# Altium PCB PCB.PcbDoc (part 7 of 11)
Units mm, origin at the board's own origin, x right, y up, seen from the top; angles counter-clockwise.
Board outline 134.62 x 134.62 mm, 2 copper layers (Top Layer, Bottom Layer); 223 components, 326 nets, 5222 pads, 379 vias.
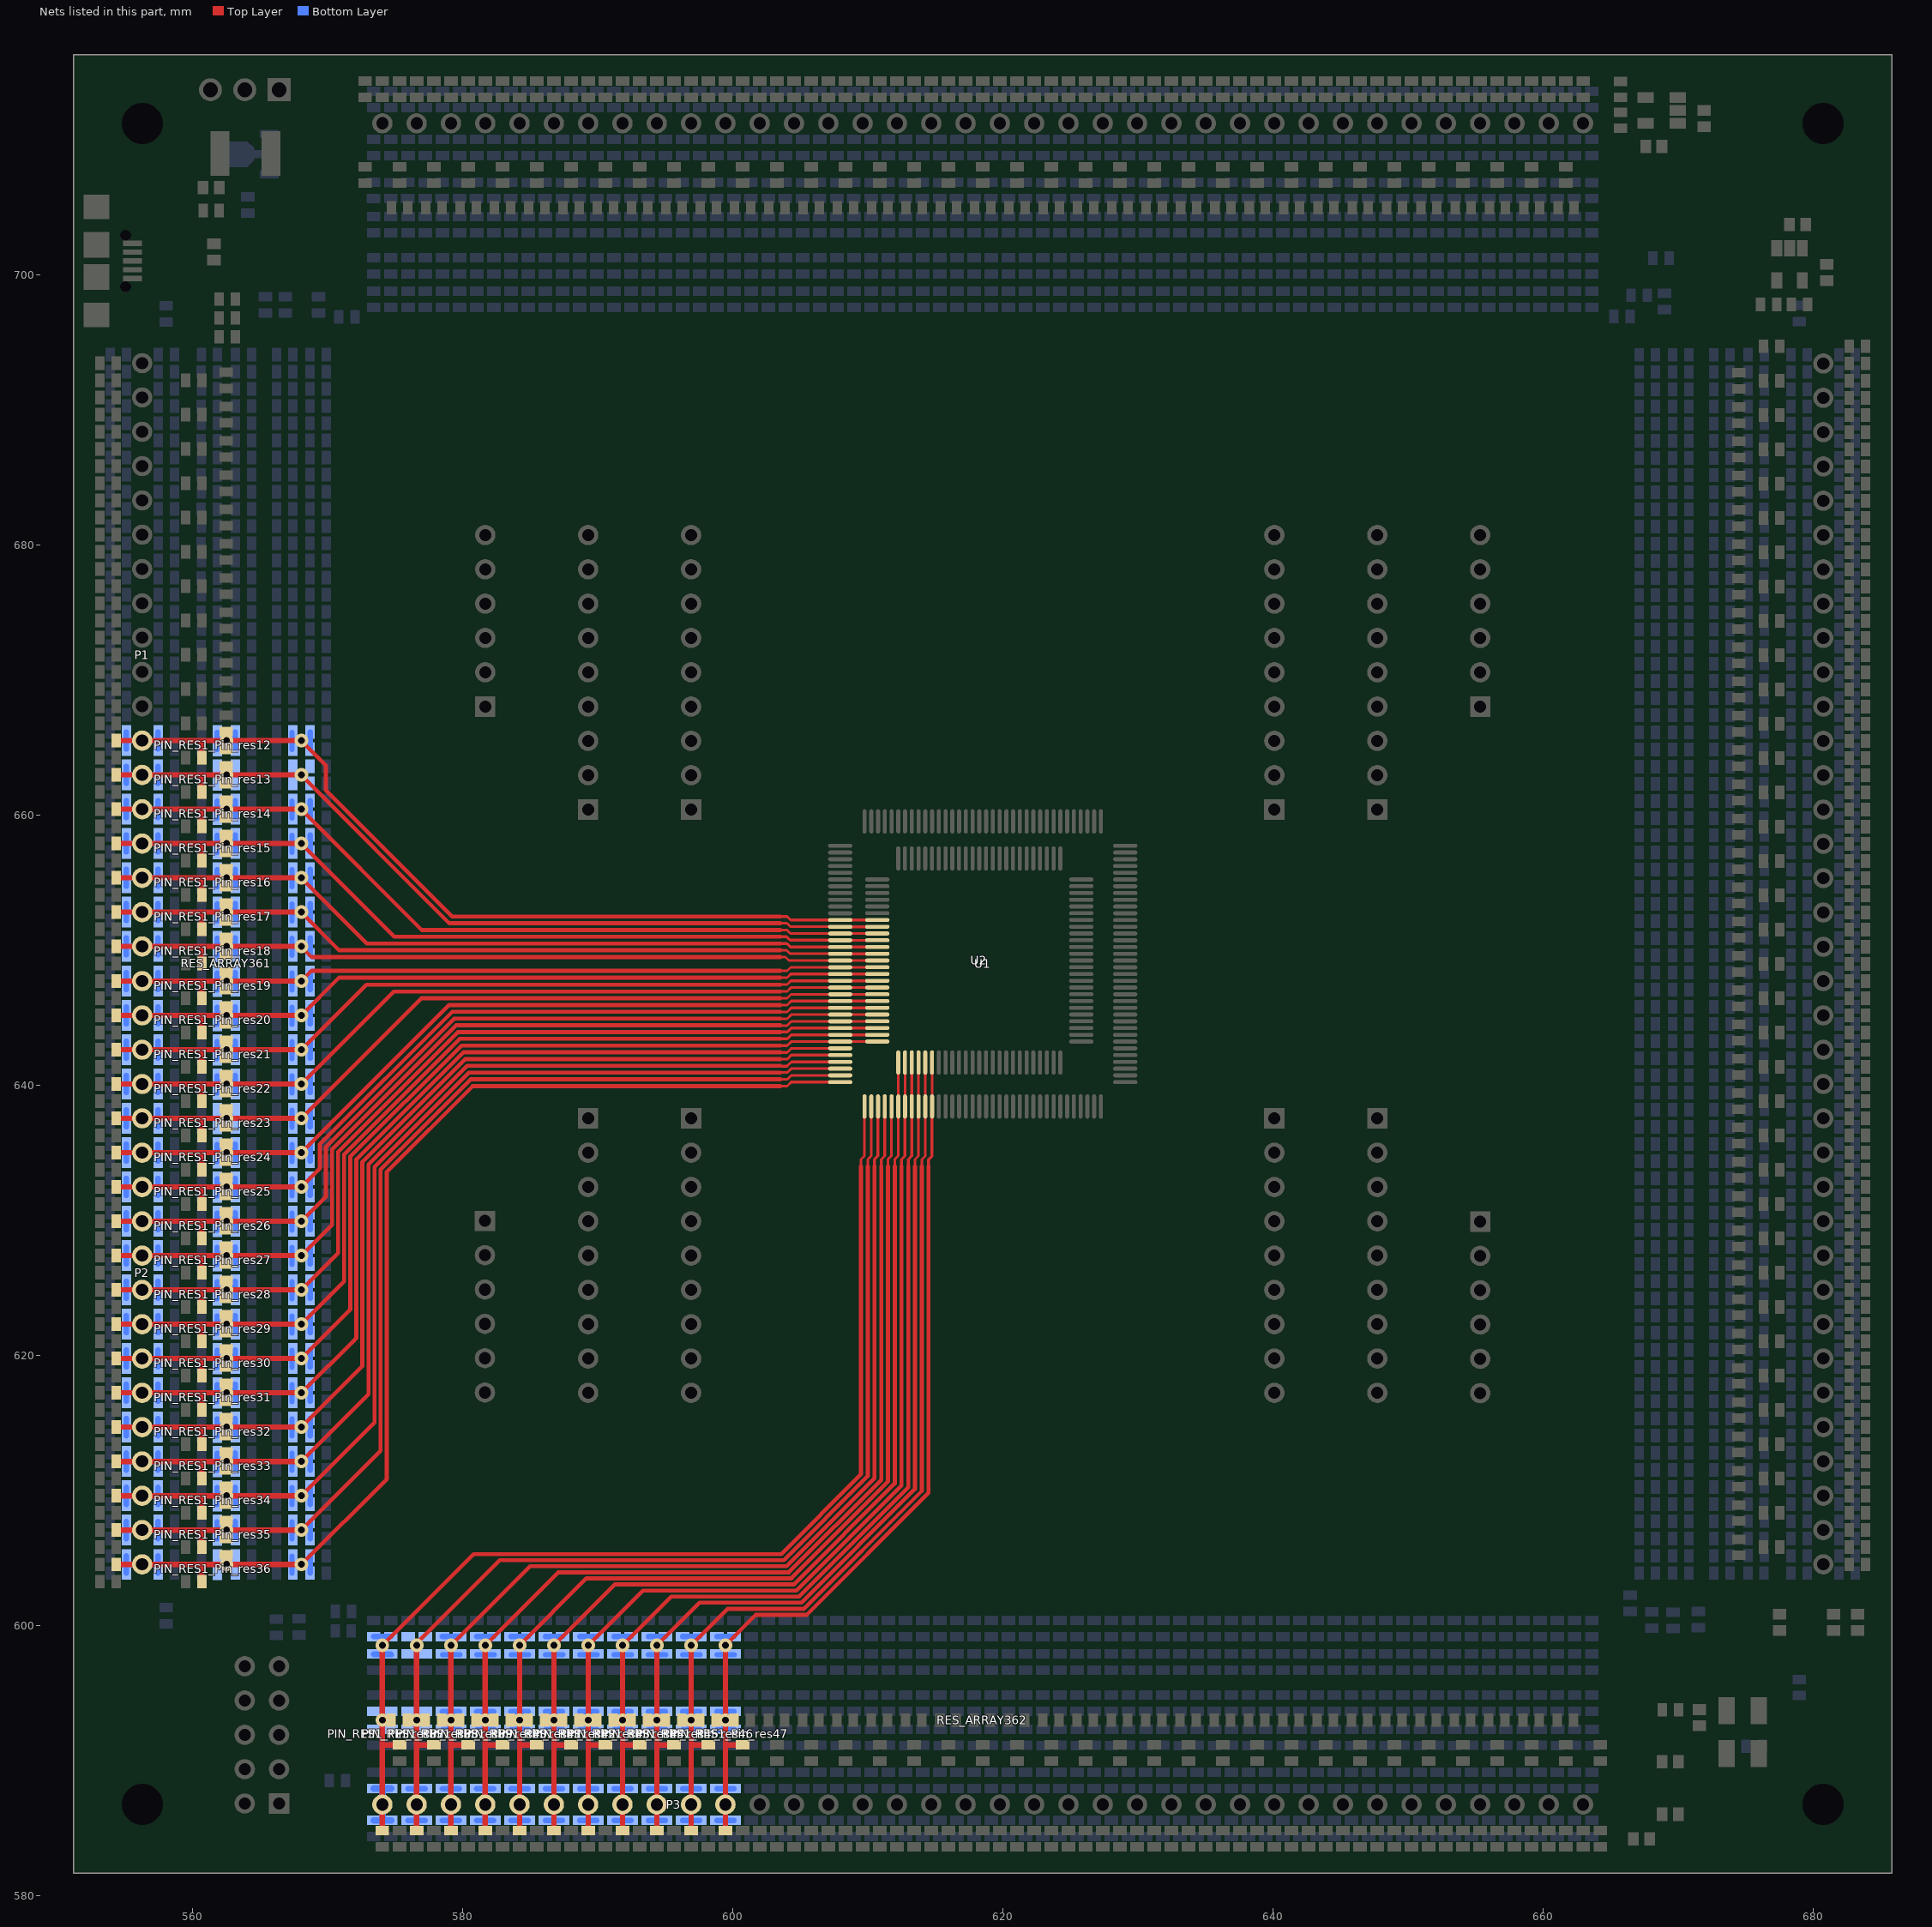
[diagram p7: the nets of this part, all layers, seen from the top]

## Via types
v1: diameter 1, hole 0.5, Top Layer to Bottom Layer, 322 vias
v2: diameter 1, hole 0.5, Top Layer to Bottom Layer, tented both sides, 57 vias

## Nets (pads, with @x,y where several pads share a name; then routed paths per layer and width w, separated by ;. In a path a pad name is that pad's centre, name@x,y a point inside that pad or via, vN(x,y) a via of type N, cw(c..) or ccw(c..) an arc to the next point about the centre after c; other vN are vias at no path point) (continued)
P12: P1.12 PIN_RES1_Pin_res12.14 RES_ARRAY361.12 U1.12 U2.7 | length 76.9
  Top Layer w0.2: 603.504,652.478 604.012,652.478 604.27,652.22 U1.12@607.94,652.22 610.682,652.22 U2.7@610.686,652.224
  Top Layer w0.3: v1@568.046,665.48 569.852,663.674 569.852,661.829 579.203,652.478 603.504,652.478
  Top Layer w0.4: PIN_RES1_Pin_res12.14@554.32,665.505 P1.12@556.26,665.505 560.705,665.505 ; PIN_RES1_Pin_res12.14@560.67,664.235 560.67,665.47 560.705,665.505 ; v1(568.046,665.505) v1(562.508,665.505) 562.483,665.505 560.705,665.505
  Bottom Layer w0.4: PIN_RES1_Pin_res12.14@555.082,664.87 555.082,665.505 ; PIN_RES1_Pin_res12.14@555.082,666.14 555.082,665.505 ; PIN_RES1_Pin_res12.14@557.438,664.87 557.438,665.505 ; PIN_RES1_Pin_res12.14@557.438,666.14 557.438,665.505 ; PIN_RES1_Pin_res12.14@561.813,664.845 561.813,665.505 ; PIN_RES1_Pin_res12.14@561.813,666.115 561.813,665.505 ; PIN_RES1_Pin_res12.14@563.153,664.87 563.153,665.505 ; PIN_RES1_Pin_res12.14@563.153,666.14 563.153,665.505 ; PIN_RES1_Pin_res12.14@567.35,664.845 567.35,665.505 ; PIN_RES1_Pin_res12.14@567.35,666.115 567.35,665.505 ; PIN_RES1_Pin_res12.14@568.69,664.87 568.69,665.505 ; PIN_RES1_Pin_res12.14@568.69,666.14 568.69,665.505 ; 555.082,665.505 P1.12@556.26,665.505 557.438,665.505 ; 561.813,665.505 v1(562.508,665.505) 563.153,665.505 ; 567.35,665.505 v1(568.046,665.505) 568.69,665.505
P13: P1.13 PIN_RES1_Pin_res13.14 RES_ARRAY361.13 U1.13 U2.8 | length 68.4
  Top Layer w0.2: 603.504,651.986 603.993,651.986 604.247,651.732 607.928,651.732 U1.13@607.94,651.72 610.682,651.72 U2.8@610.686,651.724
  Top Layer w0.3: v1@568.046,662.94 579,651.986 603.504,651.986
  Top Layer w0.4: PIN_RES1_Pin_res13.14@554.32,662.965 P1.13@556.26,662.965 v1@562.483,662.965 ; PIN_RES1_Pin_res13.14@560.67,661.695 560.67,662.93 ; RES_ARRAY361.13@562.483,662.305 v1@562.483,662.965 ; RES_ARRAY361.13@562.483,663.645 v1@562.483,662.965 ; v1(562.508,662.965) v1@568.02,662.965
  Bottom Layer w0.4: PIN_RES1_Pin_res13.14@555.082,662.33 555.082,662.965 ; PIN_RES1_Pin_res13.14@555.082,663.6 555.082,662.965 ; PIN_RES1_Pin_res13.14@557.438,662.33 557.438,662.965 ; PIN_RES1_Pin_res13.14@557.438,663.6 557.438,662.965 ; 555.082,662.965 557.438,662.965
  other v1: 568.046,662.965
P14: P1.14 PIN_RES1_Pin_res14.14 RES_ARRAY361.14 U1.14 U2.9 | length 74.1
  Top Layer w0.2: 603.504,651.478 604.006,651.478 604.264,651.22 U1.14@607.94,651.22 610.682,651.22 U2.9@610.686,651.224
  Top Layer w0.3: v1@568.046,660.4 576.968,651.478 603.504,651.478
  Top Layer w0.4: PIN_RES1_Pin_res14.14@554.32,660.425 P1.14@556.26,660.425 560.705,660.425 ; PIN_RES1_Pin_res14.14@560.67,659.155 560.67,660.39 560.705,660.425 ; v1(568.046,660.425) v1(562.508,660.425) 562.483,660.425 560.705,660.425
  Bottom Layer w0.4: PIN_RES1_Pin_res14.14@555.082,659.79 555.082,660.425 ; PIN_RES1_Pin_res14.14@555.082,661.06 555.082,660.425 ; PIN_RES1_Pin_res14.14@557.438,659.79 557.438,660.425 ; PIN_RES1_Pin_res14.14@557.438,661.06 557.438,660.425 ; PIN_RES1_Pin_res14.14@561.813,659.765 561.813,660.425 ; PIN_RES1_Pin_res14.14@561.813,661.035 561.813,660.425 ; PIN_RES1_Pin_res14.14@563.153,659.79 563.153,660.425 ; PIN_RES1_Pin_res14.14@563.153,661.06 563.153,660.425 ; PIN_RES1_Pin_res14.14@567.35,659.765 567.35,660.425 ; PIN_RES1_Pin_res14.14@567.35,661.035 567.35,660.425 ; PIN_RES1_Pin_res14.14@568.69,659.79 568.69,660.425 ; PIN_RES1_Pin_res14.14@568.69,661.06 568.69,660.425 ; 555.082,660.425 P1.14@556.26,660.425 557.438,660.425 ; 561.813,660.425 v1(562.508,660.425) 563.153,660.425 ; 567.35,660.425 v1(568.046,660.425) 568.69,660.425
P15: P1.15 PIN_RES1_Pin_res15.14 RES_ARRAY361.15 U1.15 U2.10 | length 73.3
  Top Layer w0.2: 603.504,650.986 603.977,650.986 604.231,650.732 607.928,650.732 U1.15@607.94,650.72 610.682,650.72 U2.10@610.686,650.724
  Top Layer w0.3: v1@568.046,657.86 574.92,650.986 603.504,650.986
  Top Layer w0.4: PIN_RES1_Pin_res15.14@554.32,657.885 P1.15@556.26,657.885 560.705,657.885 ; PIN_RES1_Pin_res15.14@560.67,656.615 560.67,657.85 560.705,657.885 ; v1(568.046,657.885) v1(562.508,657.885) 562.483,657.885 560.705,657.885
  Bottom Layer w0.4: PIN_RES1_Pin_res15.14@555.082,657.25 555.082,657.885 ; PIN_RES1_Pin_res15.14@555.082,658.52 555.082,657.885 ; PIN_RES1_Pin_res15.14@557.438,657.25 557.438,657.885 ; PIN_RES1_Pin_res15.14@557.438,658.52 557.438,657.885 ; PIN_RES1_Pin_res15.14@561.813,657.225 561.813,657.885 ; PIN_RES1_Pin_res15.14@561.813,658.495 561.813,657.885 ; PIN_RES1_Pin_res15.14@563.153,657.25 563.153,657.885 ; PIN_RES1_Pin_res15.14@563.153,658.52 563.153,657.885 ; PIN_RES1_Pin_res15.14@567.35,657.225 567.35,657.885 ; PIN_RES1_Pin_res15.14@567.35,658.495 567.35,657.885 ; PIN_RES1_Pin_res15.14@568.69,657.25 568.69,657.885 ; PIN_RES1_Pin_res15.14@568.69,658.52 568.69,657.885 ; 555.082,657.885 P1.15@556.26,657.885 557.438,657.885 ; 561.813,657.885 v1(562.508,657.885) 563.153,657.885 ; 567.35,657.885 v1(568.046,657.885) 568.69,657.885
P16: P1.16 PIN_RES1_Pin_res16.14 RES_ARRAY361.16 U1.16 U2.11 | length 72.4
  Top Layer w0.2: 603.504,650.478 603.99,650.478 604.248,650.22 U1.16@607.94,650.22 610.682,650.22 U2.11@610.686,650.224
  Top Layer w0.3: v1@568.046,655.32 572.888,650.478 603.504,650.478
  Top Layer w0.4: PIN_RES1_Pin_res16.14@554.32,655.345 P1.16@556.26,655.345 560.705,655.345 ; PIN_RES1_Pin_res16.14@560.67,654.075 560.67,655.31 560.705,655.345 ; v1(568.046,655.345) v1(562.508,655.345) 562.483,655.345 560.705,655.345
  Bottom Layer w0.4: PIN_RES1_Pin_res16.14@555.082,654.71 555.082,655.345 ; PIN_RES1_Pin_res16.14@555.082,655.98 555.082,655.345 ; PIN_RES1_Pin_res16.14@557.438,654.71 557.438,655.345 ; PIN_RES1_Pin_res16.14@557.438,655.98 557.438,655.345 ; PIN_RES1_Pin_res16.14@561.813,654.685 561.813,655.345 ; PIN_RES1_Pin_res16.14@561.813,655.955 561.813,655.345 ; PIN_RES1_Pin_res16.14@563.153,654.71 563.153,655.345 ; PIN_RES1_Pin_res16.14@563.153,655.98 563.153,655.345 ; PIN_RES1_Pin_res16.14@567.35,654.685 567.35,655.345 ; PIN_RES1_Pin_res16.14@567.35,655.955 567.35,655.345 ; PIN_RES1_Pin_res16.14@568.69,654.71 568.69,655.345 ; PIN_RES1_Pin_res16.14@568.69,655.98 568.69,655.345 ; 555.082,655.345 P1.16@556.26,655.345 557.438,655.345 ; 561.813,655.345 v1(562.508,655.345) 563.153,655.345 ; 567.35,655.345 v1(568.046,655.345) 568.69,655.345
P17: P1.17 PIN_RES1_Pin_res17.14 RES_ARRAY361.17 U1.17 U2.12 | length 71.6
  Top Layer w0.2: 603.504,649.986 603.961,649.986 604.215,649.732 607.928,649.732 U1.17@607.94,649.72 610.682,649.72 U2.12@610.686,649.724
  Top Layer w0.3: v1@568.046,652.78 570.84,649.986 603.504,649.986
  Top Layer w0.4: PIN_RES1_Pin_res17.14@554.32,652.805 P1.17@556.26,652.805 560.705,652.805 ; PIN_RES1_Pin_res17.14@560.67,651.535 560.67,652.77 560.705,652.805 ; v1(568.046,652.805) v1(562.508,652.805) 562.483,652.805 560.705,652.805
  Bottom Layer w0.4: PIN_RES1_Pin_res17.14@555.082,652.17 555.082,652.805 ; PIN_RES1_Pin_res17.14@555.082,653.44 555.082,652.805 ; PIN_RES1_Pin_res17.14@557.438,652.17 557.438,652.805 ; PIN_RES1_Pin_res17.14@557.438,653.44 557.438,652.805 ; PIN_RES1_Pin_res17.14@561.813,652.145 561.813,652.805 ; PIN_RES1_Pin_res17.14@561.813,653.415 561.813,652.805 ; PIN_RES1_Pin_res17.14@563.153,652.17 563.153,652.805 ; PIN_RES1_Pin_res17.14@563.153,653.44 563.153,652.805 ; PIN_RES1_Pin_res17.14@567.35,652.145 567.35,652.805 ; PIN_RES1_Pin_res17.14@567.35,653.415 567.35,652.805 ; PIN_RES1_Pin_res17.14@568.69,652.17 568.69,652.805 ; PIN_RES1_Pin_res17.14@568.69,653.44 568.69,652.805 ; 555.082,652.805 P1.17@556.26,652.805 557.438,652.805 ; 561.813,652.805 v1(562.508,652.805) 563.153,652.805 ; 567.35,652.805 v1(568.046,652.805) 568.69,652.805
P18: P1.18 PIN_RES1_Pin_res18.14 RES_ARRAY361.18 U1.18 U2.13 | length 70.7
  Top Layer w0.2: 603.504,649.478 603.885,649.478 604.143,649.22 U1.18@607.94,649.22 610.682,649.22 U2.13@610.686,649.224
  Top Layer w0.3: v1@568.046,650.24 568.808,649.478 603.504,649.478
  Top Layer w0.4: PIN_RES1_Pin_res18.14@554.32,650.265 P1.18@556.26,650.265 560.705,650.265 ; PIN_RES1_Pin_res18.14@560.67,648.995 560.67,650.23 560.705,650.265 ; v1(568.046,650.265) v1(562.508,650.265) 562.483,650.265 560.705,650.265
  Bottom Layer w0.4: PIN_RES1_Pin_res18.14@555.082,649.63 555.082,650.265 ; PIN_RES1_Pin_res18.14@555.082,650.9 555.082,650.265 ; PIN_RES1_Pin_res18.14@557.438,649.63 557.438,650.265 ; PIN_RES1_Pin_res18.14@557.438,650.9 557.438,650.265 ; PIN_RES1_Pin_res18.14@561.813,649.605 561.813,650.265 ; PIN_RES1_Pin_res18.14@561.813,650.875 561.813,650.265 ; PIN_RES1_Pin_res18.14@563.153,649.63 563.153,650.265 ; PIN_RES1_Pin_res18.14@563.153,650.9 563.153,650.265 ; PIN_RES1_Pin_res18.14@567.35,649.605 567.35,650.265 ; PIN_RES1_Pin_res18.14@567.35,650.875 567.35,650.265 ; PIN_RES1_Pin_res18.14@568.69,649.63 568.69,650.265 ; PIN_RES1_Pin_res18.14@568.69,650.9 568.69,650.265 ; 555.082,650.265 P1.18@556.26,650.265 557.438,650.265 ; 561.813,650.265 v1(562.508,650.265) 563.153,650.265 ; 567.35,650.265 v1(568.046,650.265) 568.69,650.265
P19: P2.1 PIN_RES1_Pin_res19.14 RES_ARRAY361.19 U1.19 U2.14 | length 70.7
  Top Layer w0.2: 603.504,648.462 604.012,648.462 604.27,648.72 U1.19@607.94,648.72 610.682,648.72 U2.14@610.686,648.724
  Top Layer w0.3: v1(568.046,647.7) 568.808,648.462 603.504,648.462
  Top Layer w0.4: PIN_RES1_Pin_res19.14@554.32,647.7 P2.1@556.26,647.7 560.705,647.7 ; PIN_RES1_Pin_res19.14@560.67,646.43 560.67,647.665 560.705,647.7 ; v1(568.046,647.7) v1(562.508,647.7) 562.483,647.7 560.705,647.7
  Bottom Layer w0.4: PIN_RES1_Pin_res19.14@555.082,647.065 555.082,647.7 ; PIN_RES1_Pin_res19.14@555.082,648.335 555.082,647.7 ; PIN_RES1_Pin_res19.14@557.438,647.065 557.438,647.7 ; PIN_RES1_Pin_res19.14@557.438,648.335 557.438,647.7 ; PIN_RES1_Pin_res19.14@561.813,647.04 561.813,647.7 ; PIN_RES1_Pin_res19.14@561.813,648.31 561.813,647.7 ; PIN_RES1_Pin_res19.14@563.153,647.065 563.153,647.7 ; PIN_RES1_Pin_res19.14@563.153,648.335 563.153,647.7 ; PIN_RES1_Pin_res19.14@567.35,647.04 567.35,647.7 ; PIN_RES1_Pin_res19.14@567.35,648.31 567.35,647.7 ; PIN_RES1_Pin_res19.14@568.69,647.065 568.69,647.7 ; PIN_RES1_Pin_res19.14@568.69,648.335 568.69,647.7 ; 555.082,647.7 P2.1@556.26,647.7 557.438,647.7 ; 561.813,647.7 v1(562.508,647.7) 563.153,647.7 ; 567.35,647.7 v1(568.046,647.7) 568.69,647.7
P20: P2.2 PIN_RES1_Pin_res20.14 RES_ARRAY361.20 U1.20 U2.15 | length 71.6
  Top Layer w0.2: 603.504,647.954 604.012,647.954 604.278,648.22 U1.20@607.94,648.22 610.682,648.22 U2.15@610.686,648.224 ; U2.15@611.112,648.22 U2.15@611.124,648.208
  Top Layer w0.3: v1(568.046,645.16) 570.84,647.954 603.504,647.954
  Top Layer w0.4: PIN_RES1_Pin_res20.14@554.32,645.16 P2.2@556.26,645.16 560.705,645.16 ; PIN_RES1_Pin_res20.14@560.67,643.89 560.67,645.125 560.705,645.16 ; v1(568.046,645.16) v1(562.508,645.16) 562.483,645.16 560.705,645.16
  Bottom Layer w0.4: PIN_RES1_Pin_res20.14@555.082,644.525 555.082,645.16 ; PIN_RES1_Pin_res20.14@555.082,645.795 555.082,645.16 ; PIN_RES1_Pin_res20.14@557.438,644.525 557.438,645.16 ; PIN_RES1_Pin_res20.14@557.438,645.795 557.438,645.16 ; PIN_RES1_Pin_res20.14@561.813,644.5 561.813,645.16 ; PIN_RES1_Pin_res20.14@561.813,645.77 561.813,645.16 ; PIN_RES1_Pin_res20.14@563.153,644.525 563.153,645.16 ; PIN_RES1_Pin_res20.14@563.153,645.795 563.153,645.16 ; PIN_RES1_Pin_res20.14@567.35,644.5 567.35,645.16 ; PIN_RES1_Pin_res20.14@567.35,645.77 567.35,645.16 ; PIN_RES1_Pin_res20.14@568.69,644.525 568.69,645.16 ; PIN_RES1_Pin_res20.14@568.69,645.795 568.69,645.16 ; 555.082,645.16 P2.2@556.26,645.16 557.438,645.16 ; 561.813,645.16 v1(562.508,645.16) 563.153,645.16 ; 567.35,645.16 v1(568.046,645.16) 568.69,645.16
P21: P2.3 PIN_RES1_Pin_res21.14 RES_ARRAY361.21 U1.21 U2.16 | length 72.4
  Top Layer w0.2: 603.504,647.446 604.012,647.446 604.286,647.72 U1.21@607.94,647.72 610.682,647.72 U2.16@610.686,647.724
  Top Layer w0.3: v1(568.046,642.62) 572.856,647.43 603.504,647.43
  Top Layer w0.4: PIN_RES1_Pin_res21.14@554.32,642.62 P2.3@556.26,642.62 560.705,642.62 ; PIN_RES1_Pin_res21.14@560.67,641.35 560.67,642.585 560.705,642.62 ; v1(568.046,642.62) v1(562.508,642.62) 562.483,642.62 560.705,642.62
  Bottom Layer w0.4: PIN_RES1_Pin_res21.14@555.082,641.985 555.082,642.62 ; PIN_RES1_Pin_res21.14@555.082,643.255 555.082,642.62 ; PIN_RES1_Pin_res21.14@557.438,641.985 557.438,642.62 ; PIN_RES1_Pin_res21.14@557.438,643.255 557.438,642.62 ; PIN_RES1_Pin_res21.14@561.813,641.96 561.813,642.62 ; PIN_RES1_Pin_res21.14@561.813,643.23 561.813,642.62 ; PIN_RES1_Pin_res21.14@563.153,641.985 563.153,642.62 ; PIN_RES1_Pin_res21.14@563.153,643.255 563.153,642.62 ; PIN_RES1_Pin_res21.14@567.35,641.96 567.35,642.62 ; PIN_RES1_Pin_res21.14@567.35,643.23 567.35,642.62 ; PIN_RES1_Pin_res21.14@568.69,641.985 568.69,642.62 ; PIN_RES1_Pin_res21.14@568.69,643.255 568.69,642.62 ; 555.082,642.62 P2.3@556.26,642.62 557.438,642.62 ; 561.813,642.62 v1(562.508,642.62) 563.153,642.62 ; 567.35,642.62 v1(568.046,642.62) 568.69,642.62
P22: P2.4 PIN_RES1_Pin_res22.14 RES_ARRAY361.22 U1.22 U2.17 | length 73.3
  Top Layer w0.2: 603.504,646.938 604.012,646.938 604.294,647.22 U1.22@607.94,647.22 610.682,647.22 U2.17@610.686,647.224
  Top Layer w0.3: v1(568.046,640.08) 574.888,646.922 603.504,646.922
  Top Layer w0.4: PIN_RES1_Pin_res22.14@554.32,640.08 P2.4@556.26,640.08 560.705,640.08 ; PIN_RES1_Pin_res22.14@560.67,638.81 560.67,640.045 560.705,640.08 ; v1(568.046,640.08) v1(562.508,640.08) 562.483,640.08 560.705,640.08
  Bottom Layer w0.4: PIN_RES1_Pin_res22.14@555.082,639.445 555.082,640.08 ; PIN_RES1_Pin_res22.14@555.082,640.715 555.082,640.08 ; PIN_RES1_Pin_res22.14@557.438,639.445 557.438,640.08 ; PIN_RES1_Pin_res22.14@557.438,640.715 557.438,640.08 ; PIN_RES1_Pin_res22.14@561.813,639.42 561.813,640.08 ; PIN_RES1_Pin_res22.14@561.813,640.69 561.813,640.08 ; PIN_RES1_Pin_res22.14@563.153,639.445 563.153,640.08 ; PIN_RES1_Pin_res22.14@563.153,640.715 563.153,640.08 ; PIN_RES1_Pin_res22.14@567.35,639.42 567.35,640.08 ; PIN_RES1_Pin_res22.14@567.35,640.69 567.35,640.08 ; PIN_RES1_Pin_res22.14@568.69,639.445 568.69,640.08 ; PIN_RES1_Pin_res22.14@568.69,640.715 568.69,640.08 ; 555.082,640.08 P2.4@556.26,640.08 557.438,640.08 ; 561.813,640.08 v1(562.508,640.08) 563.153,640.08 ; 567.35,640.08 v1(568.046,640.08) 568.69,640.08
P23: P2.5 PIN_RES1_Pin_res23.14 RES_ARRAY361.23 U1.23 U2.18 | length 70.2
  Top Layer w0.2: 603.504,646.43 604.012,646.43 604.302,646.72 U1.23@607.94,646.72 610.682,646.72 U2.18@610.686,646.724
  Top Layer w0.3: v1(568.046,637.54) 576.936,646.43 603.504,646.43
  Top Layer w0.4: PIN_RES1_Pin_res23.14@554.32,637.54 P2.5@556.26,637.54 560.654,637.54 ; PIN_RES1_Pin_res23.14@560.67,636.27 560.67,637.524 560.654,637.54 ; v1(568.046,637.54) v1(562.508,637.54) 562.483,637.54 560.654,637.54
  Bottom Layer w0.4: PIN_RES1_Pin_res23.14@555.082,636.905 555.082,637.54 ; PIN_RES1_Pin_res23.14@555.082,638.175 555.082,637.54 ; PIN_RES1_Pin_res23.14@557.438,636.905 557.438,637.54 ; PIN_RES1_Pin_res23.14@557.438,638.175 557.438,637.54 ; PIN_RES1_Pin_res23.14@567.35,636.88 567.35,637.54 ; PIN_RES1_Pin_res23.14@567.35,638.15 567.35,637.54 ; PIN_RES1_Pin_res23.14@568.69,636.905 568.69,637.54 ; PIN_RES1_Pin_res23.14@568.69,638.175 568.69,637.54 ; 555.082,637.54 P2.5@556.26,637.54 557.438,637.54 ; 567.35,637.54 v1(568.046,637.54) 568.69,637.54
P24: P2.6 PIN_RES1_Pin_res24.14 RES_ARRAY361.24 U1.24 U2.19 | length 75
  Top Layer w0.2: 603.504,645.922 604.012,645.922 604.31,646.22 U1.24@607.94,646.22 610.682,646.22 U2.19@610.686,646.224
  Top Layer w0.3: v1(568.046,635) 578.968,645.922 603.504,645.922
  Top Layer w0.4: PIN_RES1_Pin_res24.14@554.32,635 P2.6@556.26,635 560.705,635 ; PIN_RES1_Pin_res24.14@560.67,633.73 560.67,634.965 560.705,635 ; v1(568.046,635) v1(562.508,635) 562.483,635 560.705,635
  Bottom Layer w0.4: PIN_RES1_Pin_res24.14@555.082,634.365 555.082,635 ; PIN_RES1_Pin_res24.14@555.082,635.635 555.082,635 ; PIN_RES1_Pin_res24.14@557.438,634.365 557.438,635 ; PIN_RES1_Pin_res24.14@557.438,635.635 557.438,635 ; PIN_RES1_Pin_res24.14@561.813,634.34 561.813,635 ; PIN_RES1_Pin_res24.14@561.813,635.61 561.813,635 ; PIN_RES1_Pin_res24.14@563.153,634.365 563.153,635 ; PIN_RES1_Pin_res24.14@563.153,635.635 563.153,635 ; PIN_RES1_Pin_res24.14@567.35,634.34 567.35,635 ; PIN_RES1_Pin_res24.14@567.35,635.61 567.35,635 ; PIN_RES1_Pin_res24.14@568.69,634.365 568.69,635 ; PIN_RES1_Pin_res24.14@568.69,635.635 568.69,635 ; 555.082,635 P2.6@556.26,635 557.438,635 ; 561.813,635 v1(562.508,635) 563.153,635 ; 567.35,635 v1(568.046,635) 568.69,635
P25: P2.7 PIN_RES1_Pin_res25.14 RES_ARRAY361.25 U1.25 U2.20 | length 76.9
  Top Layer w0.2: 603.504,645.414 604.012,645.414 604.318,645.72 U1.25@607.94,645.72 610.682,645.72 U2.20@610.686,645.724
  Top Layer w0.3: v1(568.046,632.46) 569.413,633.827 569.413,635.621 579.222,645.43 603.504,645.43
  Top Layer w0.4: PIN_RES1_Pin_res25.14@554.32,632.46 P2.7@556.26,632.46 560.705,632.46 ; PIN_RES1_Pin_res25.14@560.67,631.19 560.67,632.425 560.705,632.46 ; v1(568.046,632.46) v1(562.508,632.46) 562.483,632.46 560.705,632.46
  Bottom Layer w0.4: PIN_RES1_Pin_res25.14@555.082,631.825 555.082,632.46 ; PIN_RES1_Pin_res25.14@555.082,633.095 555.082,632.46 ; PIN_RES1_Pin_res25.14@557.438,631.825 557.438,632.46 ; PIN_RES1_Pin_res25.14@557.438,633.095 557.438,632.46 ; PIN_RES1_Pin_res25.14@561.813,631.8 561.813,632.46 ; PIN_RES1_Pin_res25.14@561.813,633.07 561.813,632.46 ; PIN_RES1_Pin_res25.14@563.153,631.825 563.153,632.46 ; PIN_RES1_Pin_res25.14@563.153,633.095 563.153,632.46 ; PIN_RES1_Pin_res25.14@567.35,631.8 567.35,632.46 ; PIN_RES1_Pin_res25.14@567.35,633.07 567.35,632.46 ; PIN_RES1_Pin_res25.14@568.69,631.825 568.69,632.46 ; PIN_RES1_Pin_res25.14@568.69,633.095 568.69,632.46 ; 555.082,632.46 P2.7@556.26,632.46 557.438,632.46 ; 561.813,632.46 v1(562.508,632.46) 563.153,632.46 ; 567.35,632.46 v1(568.046,632.46) 568.69,632.46
P26: P2.8 PIN_RES1_Pin_res26.14 RES_ARRAY361.26 U1.26 U2.21 | length 78.8
  Top Layer w0.2: 603.504,644.906 604.012,644.906 604.326,645.22 U1.26@607.94,645.22 610.682,645.22 U2.21@610.686,645.224
  Top Layer w0.3: v1(568.046,629.92) 569.863,631.737 569.863,635.434 579.351,644.922 603.504,644.922
  Top Layer w0.4: PIN_RES1_Pin_res26.14@554.32,629.92 P2.8@556.26,629.92 560.705,629.92 ; PIN_RES1_Pin_res26.14@560.67,628.65 560.67,629.885 560.705,629.92 ; v1(568.046,629.92) v1(562.508,629.92) 562.483,629.92 560.705,629.92
  Bottom Layer w0.4: PIN_RES1_Pin_res26.14@555.082,629.285 555.082,629.92 ; PIN_RES1_Pin_res26.14@555.082,630.555 555.082,629.92 ; PIN_RES1_Pin_res26.14@557.438,629.285 557.438,629.92 ; PIN_RES1_Pin_res26.14@557.438,630.555 557.438,629.92 ; PIN_RES1_Pin_res26.14@561.813,629.26 561.813,629.92 ; PIN_RES1_Pin_res26.14@561.813,630.53 561.813,629.92 ; PIN_RES1_Pin_res26.14@563.153,629.285 563.153,629.92 ; PIN_RES1_Pin_res26.14@563.153,630.555 563.153,629.92 ; PIN_RES1_Pin_res26.14@567.35,629.26 567.35,629.92 ; PIN_RES1_Pin_res26.14@567.35,630.53 567.35,629.92 ; PIN_RES1_Pin_res26.14@568.69,629.285 568.69,629.92 ; PIN_RES1_Pin_res26.14@568.69,630.555 568.69,629.92 ; 555.082,629.92 P2.8@556.26,629.92 557.438,629.92 ; 561.813,629.92 v1(562.508,629.92) 563.153,629.92 ; 567.35,629.92 v1(568.046,629.92) 568.69,629.92